# Altium PCB DC-DC_Conv.PcbDoc (part 2 of 3) (continued)
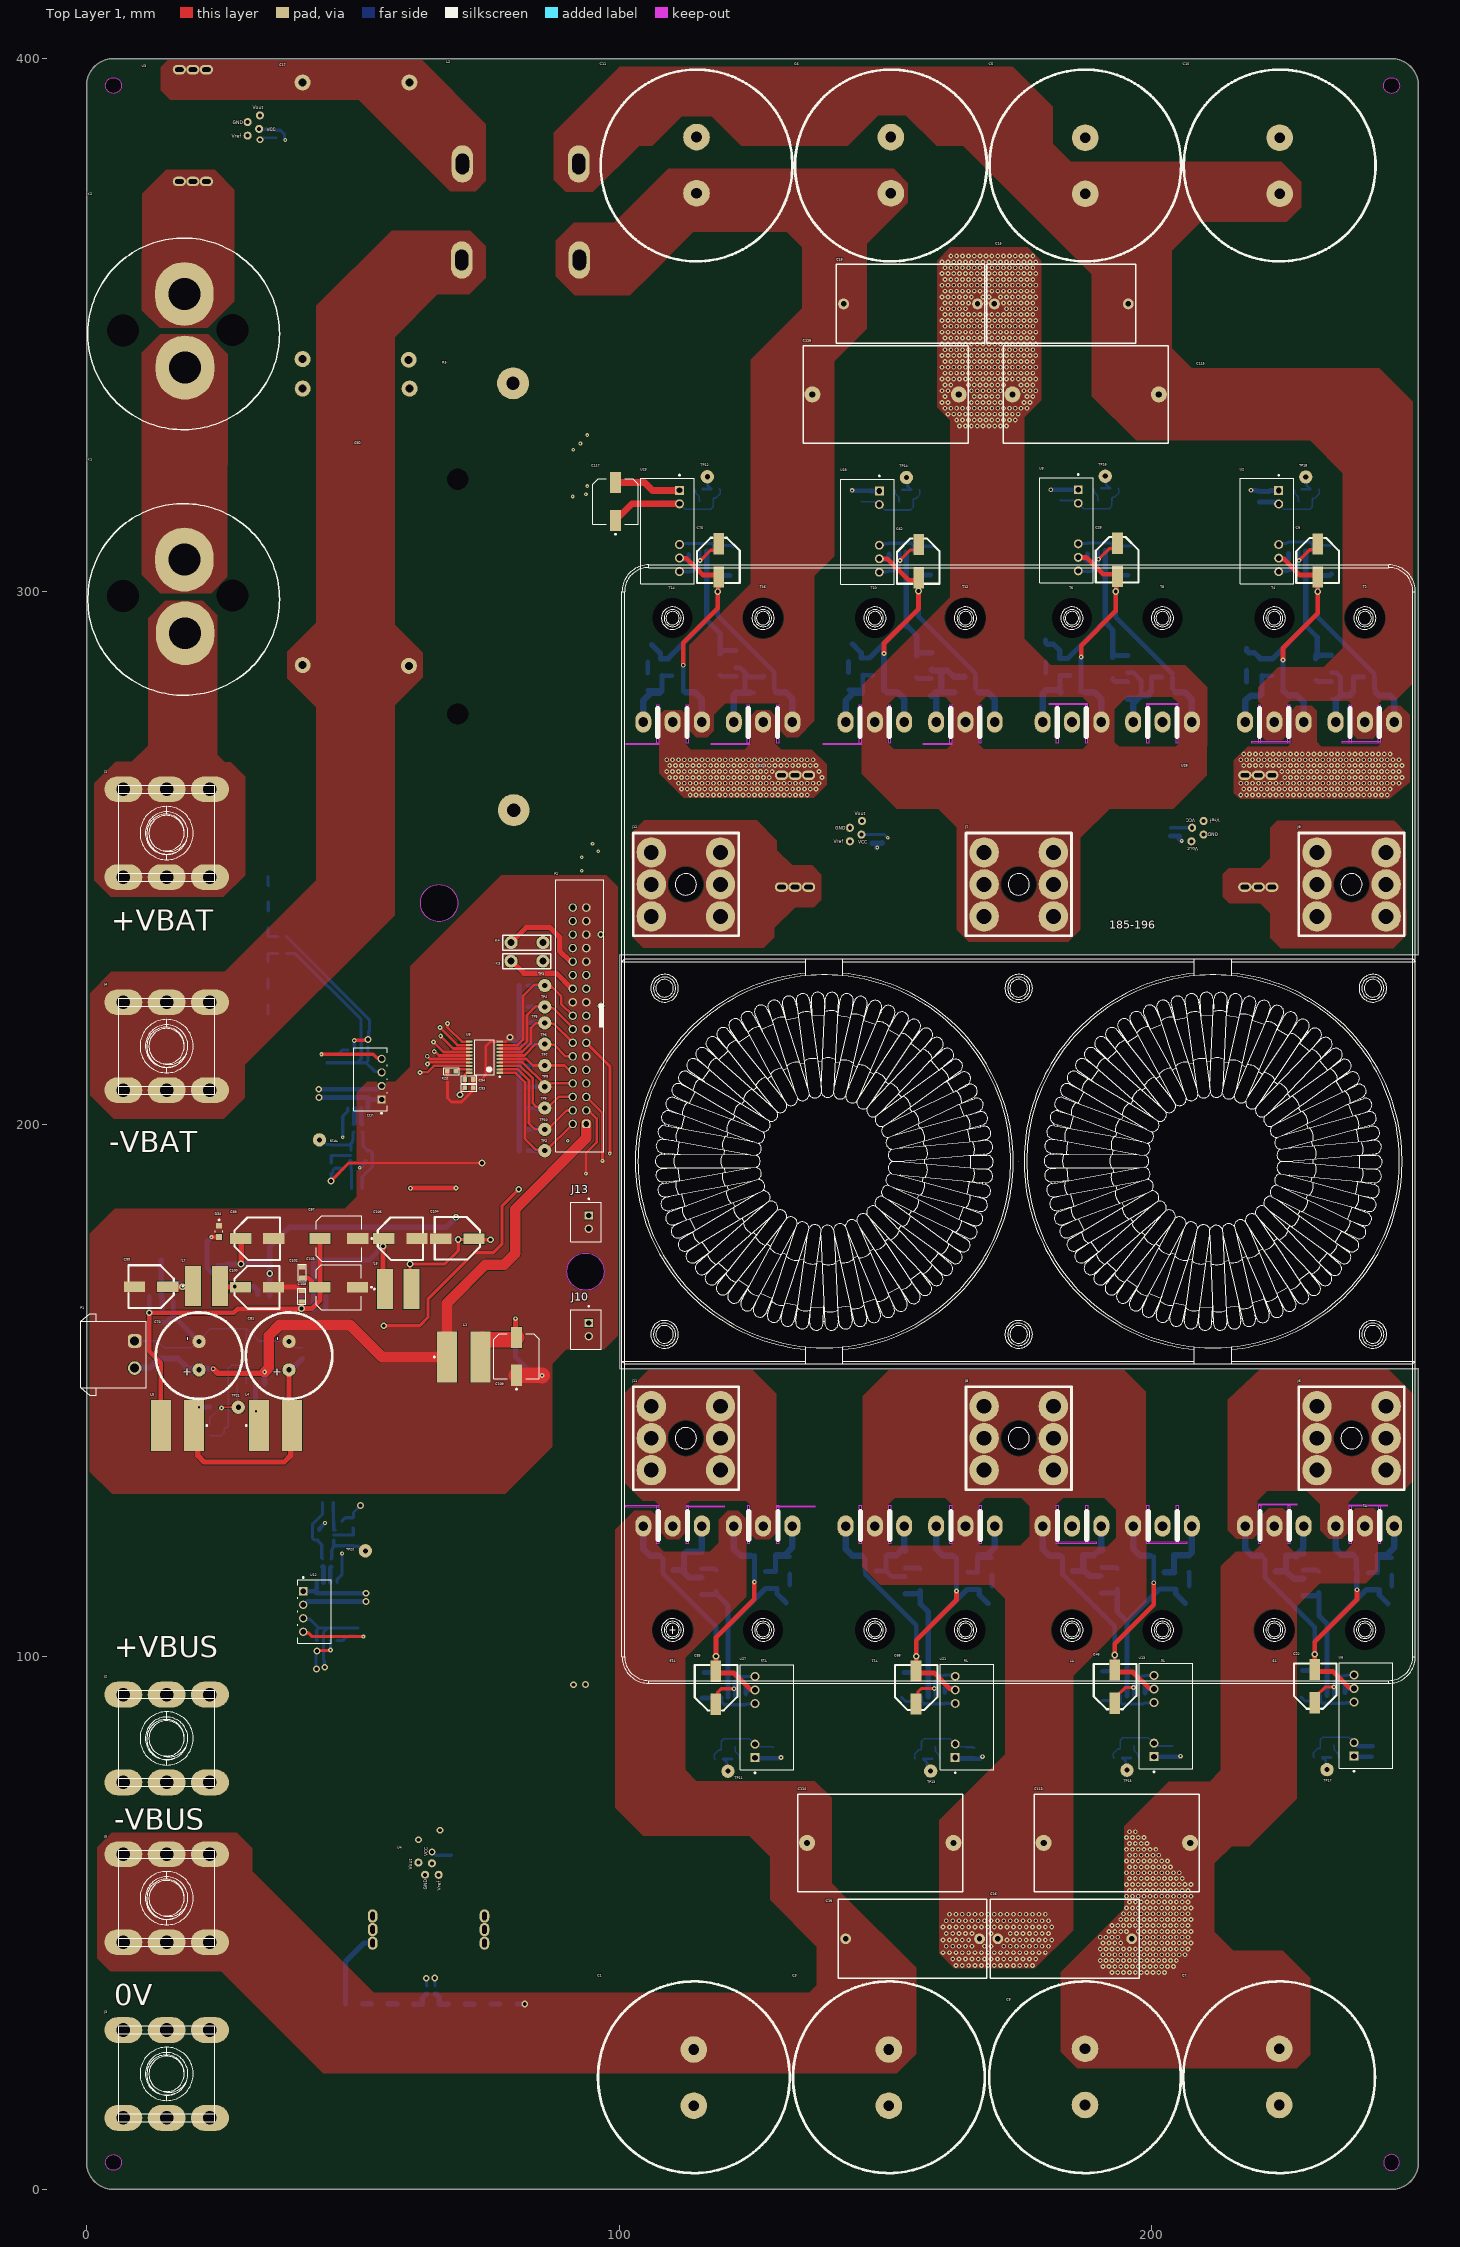
[diagram p0: Top Layer 1 view]
## Nets (pads, with @x,y where several pads share a name; then routed paths per layer and width w, separated by ;. In a path a pad name is that pad's centre, name@x,y a point inside that pad or via, vN(x,y) a via of type N, cw(c..) or ccw(c..) an arc to the next point about the centre after c; other vN are vias at no path point) (continued)
NetC6_2: C6.2 C11.2 C18.1 C72.1 C75.2 C78.1 C82.2 C116.1 D27.1 D29.1 L2.2 R94.2 R98.2 T14.3 T16.3 U23.6 | length 79
  Top Layer 1 w0.9: U23.6@111.308,306.293 111.368,306.233 112.542,306.233 115.658,303.117 C75.2@118.124,303.117 ; v3(112,286.15) 112,290.35 118.5,296.85 v2(118.5,299.975) 118.571,300.046 118.571,302.634 C75.2@118.674,302.737
  Bottom Layer 1 w0.9: U23.6@111.308,306.293 111.456,306.145 112.077,306.145 112.197,306.025 112.6,306.025 112.875,305.75 113,305.75 C72.1@113.05,305.7 C82.2@113.05,306.975 ; D29.1@111.992,281.183 111.992,286.142 v3(112,286.15) ; C78.1@120.792,303.022 119.097,303.022 118.5,302.425 v2(118.5,299.975) 118.496,299.971 118.496,295.429 129.125,284.8 129.1,284.775 129.1,284.175 R94.2@129.05,284.125 129.1,284.075 129.1,281.7 D27.1@129.175,281.7
  Bottom Layer 1 w1.2: D29.1@112.448,281.077 114.223,281.077 115.485,279.815 T14.3@115.485,275.61 ; D27.1@129.448,281.077 131.223,281.077 132.485,279.815 T16.3@132.485,275.61
NetC7_1: C7.1 C8.1 C16.2 C113.2 T1.2 T3.2 U4.8 U4.9 U4.10
  other v1: 192.5,40.7 193.6,40.7 194.7,40.7 195.8,40.7 196.9,40.7 198,40.7 199.1,40.7 200.2,40.7 201.3,40.7 202.4,40.7 190.85,41.8 191.95,41.8 193.05,41.8 194.15,41.8 195.25,41.8 196.35,41.8 197.45,41.8 198.55,41.8 199.65,41.8 200.75,41.8 201.85,41.8 202.95,41.8 204.05,41.8 190.3,42.9 191.4,42.9 192.5,42.9 193.6,42.9 194.7,42.9 195.8,42.9 196.9,42.9 198,42.9 199.1,42.9 200.2,42.9 201.3,42.9 202.4,42.9 203.5,42.9 204.6,42.9 190.85,44 191.95,44 193.05,44 194.15,44 195.25,44 196.35,44 197.45,44 198.55,44 199.65,44 200.75,44 201.85,44 202.95,44 204.05,44 205.15,44 206.25,44 190.3,45.1 191.4,45.1 192.5,45.1 193.6,45.1 194.7,45.1 195.8,45.1 196.9,45.1 198,45.1 199.1,45.1 200.2,45.1 201.3,45.1 202.4,45.1 203.5,45.1 204.6,45.1 205.7,45.1 206.8,45.1 190.85,46.2 191.95,46.2 193.05,46.2 194.15,46.2 198.55,46.2 199.65,46.2 200.75,46.2 201.85,46.2 202.95,46.2 204.05,46.2 205.15,46.2 206.25,46.2 207.35,46.2 190.3,47.3 191.4,47.3 192.5,47.3 193.6,47.3 198,47.3 199.1,47.3 200.2,47.3 201.3,47.3 202.4,47.3 203.5,47.3 204.6,47.3 205.7,47.3 206.8,47.3 191.95,48.4 193.05,48.4 194.15,48.4 195.25,48.4 197.45,48.4 198.55,48.4 199.65,48.4 200.75,48.4 201.85,48.4 202.95,48.4 204.05,48.4 205.15,48.4 206.25,48.4 207.35,48.4 192.5,49.5 193.6,49.5 194.7,49.5 195.8,49.5 196.9,49.5 198,49.5 199.1,49.5 200.2,49.5 201.3,49.5 202.4,49.5 203.5,49.5 204.6,49.5 205.7,49.5 206.8,49.5 194.15,50.6 195.25,50.6 196.35,50.6 197.45,50.6 198.55,50.6 199.65,50.6 200.75,50.6 201.85,50.6 202.95,50.6 204.05,50.6 205.15,50.6 206.25,50.6 207.35,50.6 194.7,51.7 195.8,51.7 196.9,51.7 198,51.7 199.1,51.7 200.2,51.7 201.3,51.7 202.4,51.7 203.5,51.7 204.6,51.7 205.7,51.7 206.8,51.7 195.25,52.8 196.35,52.8 197.45,52.8 198.55,52.8 199.65,52.8 200.75,52.8 201.85,52.8 202.95,52.8 204.05,52.8 205.15,52.8 206.25,52.8 207.35,52.8 195.8,53.9 196.9,53.9 198,53.9 199.1,53.9 200.2,53.9 201.3,53.9 202.4,53.9 203.5,53.9 204.6,53.9 205.7,53.9 206.8,53.9 195.25,55 196.35,55 197.45,55 198.55,55 199.65,55 200.75,55 201.85,55 202.95,55 204.05,55 205.15,55 206.25,55 207.35,55 195.8,56.1 196.9,56.1 198,56.1 199.1,56.1 200.2,56.1 201.3,56.1 202.4,56.1 203.5,56.1 204.6,56.1 205.7,56.1 206.8,56.1 195.25,57.2 196.35,57.2 197.45,57.2 198.55,57.2 199.65,57.2 200.75,57.2 201.85,57.2 202.95,57.2 204.05,57.2 205.15,57.2 206.25,57.2 207.35,57.2 195.8,58.3 196.9,58.3 198,58.3 199.1,58.3 200.2,58.3 201.3,58.3 202.4,58.3 203.5,58.3 204.6,58.3 205.7,58.3 195.25,59.4 196.35,59.4 197.45,59.4 198.55,59.4 199.65,59.4 200.75,59.4 201.85,59.4 202.95,59.4 204.05,59.4 205.15,59.4 195.8,60.5 196.9,60.5 198,60.5 199.1,60.5 200.2,60.5 201.3,60.5 202.4,60.5 203.5,60.5 195.25,61.6 196.35,61.6 197.45,61.6 198.55,61.6 199.65,61.6 200.75,61.6 201.85,61.6 202.95,61.6 195.8,62.7 196.9,62.7 198,62.7 199.1,62.7 200.2,62.7 201.3,62.7 195.25,63.8 196.35,63.8 197.45,63.8 198.55,63.8 199.65,63.8 200.75,63.8 195.8,64.9 196.9,64.9 198,64.9 199.1,64.9 195.25,66 196.35,66 197.45,66 198.55,66 195.8,67.1 196.9,67.1
NetC13_2: C13.2 C14.1 U1.4 U2.5 | length 11.5
  Bottom Layer 1 w0.6: U2.5@223.814,308.809 224.02,309.015 225.265,309.015 225.425,309.175 C14.1@225.65,309.175 ; C14.1@225.65,309.317 229.656,309.317 230.164,308.809 230.164,308.428 ; U1.4@230.164,307.539 230.164,308.428 ; C13.2@233.565,308.619 230.355,308.619 230.164,308.428
NetC17_1: C17.1 C92.2
NetC17_2: C17.2 L2.3 U3.5 U3.6 U3.7
NetC20_1: C20.1 C22.2 C24.1 C25.2 D4.1 D6.1 J6.1 R8.2 R12.2 T1.3 T3.3 T5.2 T7.2 U6.6 | length 77.9
  Top Layer 1 w0.9: C22.2@230.575,97.684 v2(230.575,100.425) 230.575,102.75 238.5,110.675 v3(238.5,112.55) ; C22.2@231.157,97.183 234.03,97.183 237.058,94.155 U6.6@237.825,94.155
  Bottom Layer 1 w0.9: R8.2@221.225,115.725 221.225,114.875 230.575,105.525 v2(230.575,100.425) ; R8.2@221.225,116.1 D4.1@221.225,118.275 ; C24.1@228.279,97.374 229.974,97.374 230.571,97.971 v2@230.571,100.421 ; C25.2@236.25,93.225 C20.1@236.25,94.45 236.693,94.007 U6.6@237.973,94.007 ; D6.1@237.9,118.975 D6.1@238.4,118.475
  Bottom Layer 1 w1: D6.1@238.4,118.475 238.4,116.303 238.525,116.178 R12.2@238.525,115.775 ; v3(238.5,112.55) 238.5,115.091 238.525,115.116 R12.2@238.525,115.575
  Bottom Layer 1 w1.2: T3.3@217.515,124.39 217.515,120.185 218.777,118.923 D4.1@220.552,118.923 ; T1.3@234.515,124.39 234.515,120.185 235.553,119.147 237.728,119.147 D6.1@237.9,118.975
NetC20_2: C20.2 C22.1 U5.6 U6.7 | length 12.1
  Top Layer 1 w0.6: C22.1@230.607,91.34 230.976,91.709 230.976,92.709 232.542,94.275 v3(234.175,94.275)
  Bottom Layer 1 w0.6: U5.6@234.163,92.737 234.169,92.743 234.169,94.269 v3(234.175,94.275) ; v3@234.175,94.302 234.175,95.075 235.45,96.35 236.15,96.35 C20.2@236.25,96.45 236.606,96.45 236.703,96.547 U6.7@237.973,96.547
NetC24_2: C24.2 C25.1 U5.4 U6.5 | length 11.4
  Bottom Layer 1 w0.6: C24.2@228.025,92.35 228.718,91.658 231.432,91.658 231.623,91.848 ; U5.4@231.623,92.737 231.623,91.848 ; C25.1@236.25,91.225 231.974,91.225 231.623,91.576 231.623,91.848 ; C25.1@236.516,91.266 236.575,91.325 237.831,91.325 U6.5@237.973,91.467
NetC26_2: C26.2 C28.1 U7.6 U9.7 | length 12.1
  Top Layer 1 w0.6: v3(189.975,306.05) 191.989,308.064 192.838,308.064 193.538,308.764 C28.1@193.538,309.078
  Bottom Layer 1 w0.6: U9.7@186.172,303.871 186.27,303.773 187.852,303.773 C26.2@187.95,303.675 188.05,303.775 188.725,303.775 189.918,304.968 189.918,305.993 189.978,306.054 189.978,307.677 U7.6@189.982,307.681
NetC30_2: C30.2 C31.1 U7.4 U9.5 | length 13
  Bottom Layer 1 w0.6: U9.5@186.527,309.025 186.564,308.988 187.888,308.988 C31.1@187.925,309.025 ; U7.4@192.522,307.681 192.522,308.57 ; C30.2@196.08,308.57 192.522,308.57 ; U9.5@186.527,308.988 186.49,308.951 U9.5@186.172,308.951 186.209,308.988 U9.5@186.527,308.988 ; U9.5@186.527,308.988 187.776,308.988 187.888,309.1 192.265,309.1 192.522,308.843 192.522,308.57
NetC32_1: C32.1 C34.1 C54.1 R54.1 U11.3 U15.3 U15.4 | length 41.5
  Bottom Layer 1 w0.6: R54.1@37.475,232 39.15,232 51.51,219.64 C54.1@51.51,217.526 51.51,215.662 ; C32.1@45.135,211.526 C34.1@46.71,211.526 50.785,211.526 ; 51.535,215.422 U15.3@51.535,213.875 51.535,212.276 50.785,211.526 ; 52.445,211.526 52.805,211.886 U15.4@52.805,213.875 U15.4@52.805,214.575 ; U11.3@55.36,209.696 55.178,209.878 54.083,209.878 52.435,211.526 50.785,211.526
NetC32_2: C32.2 C34.2 U11.4 U15.1 | length 17
  Top Layer 1 w0.6: v5(44.06,213.126) 44.085,213.101 53.754,213.101 54.438,212.418 55.178,212.418 U11.4@55.36,212.236
  Bottom Layer 1 w0.6: v5(44.06,213.126) 45.535,213.126 45.585,213.076 C34.2@46.71,213.076 46.835,213.201 47.285,213.201 47.959,213.875 U15.1@48.995,213.875
NetC35_1: C35.1 C37.1 C55.1 R55.1 U12.3 U17.3 U17.4 | length 89.4
  Top Layer w0.6: v2(44.7,98) 59.175,83.525 59.175,57.525 65.35,51.35 v2(65.35,39.65)
  Bottom Layer 1 w0.6: U12.3@40.64,107.187 40.821,107.005 41.916,107.005 43.565,105.357 45.215,105.357 ; U17.4@43.195,103.008 43.195,104.996 43.555,105.357 ; C55.1@44.465,99.382 U17.3@44.465,103.008 44.465,104.607 45.215,105.357 ; C55.1@44.615,99.207 44.595,99.207 44.595,98.105 v2(44.7,98) ; C35.1@50.865,105.357 C37.1@49.29,105.357 45.215,105.357 ; v2(65.35,39.65) 65.375,39.625 65.375,38.225 R55.1@65.4,38.2
NetC35_2: C35.2 C37.2 U12.4 U17.1 | length 17
  Top Layer 1 w0.6: U12.4@40.64,104.647 40.821,104.465 41.562,104.465 42.245,103.782 51.915,103.782 v5(51.94,103.757)
  Bottom Layer 1 w0.6: U17.1@47.005,103.008 48.041,103.008 48.715,103.682 49.165,103.682 C37.2@49.29,103.807 50.415,103.807 50.465,103.757 v5(51.94,103.757)
NetC42_2: C42.2 C46.1 U10.6 U13.7 | length 12
  Top Layer 1 w0.6: C46.1@193.033,91.24 193.402,91.609 193.402,92.609 194.968,94.175 v3(196.55,94.175)
  Bottom Layer 1 w0.6: v3@196.55,94.148 196.589,94.109 U10.6@196.589,92.637 ; v3(196.55,94.175) 196.55,94.875 198,96.325 198.6,96.325 198.711,96.436 200.388,96.436 U13.7@200.399,96.447
NetC48_1: C48.1 C58.2 R50.1 R58.2 U14.4 | length 12.4
  Bottom Layer 1 w0.6: R58.2@51.71,187.951 51.735,187.976 51.735,190.126 53.61,192.001 53.61,194.65 53.259,195.001 52.61,195.001 U14.4@52.56,195.051 ; R50.1@51.71,198.501 51.735,198.501 51.86,198.376 51.86,198.351 51.885,198.326 C48.1@51.885,196.801 51.885,195.876 U14.4@52.56,195.201
NetC48_2: C48.2 C56.2 R42.1 R52.2 TP19.1 U14.3 | length 9.7
  Bottom Layer 1 w0.6: TP19.1@43.685,197.026 44.136,197.026 45.012,196.15 45.8,196.15 C56.2@45.9,196.05 ; C56.2@45.96,196.05 45.973,196.063 47.697,196.063 R52.2@47.71,196.076 ; R52.2@47.685,196.076 49.385,196.076 C48.2@49.885,196.576 ; U14.3@49.61,195.026 49.61,196.076 ; C48.2@49.885,196.801 49.985,196.901 49.985,198.376 50.11,198.501 R42.1@50.135,198.501
NetC49_2: C49.2 C51.1 U10.4 U13.5 | length 11.2
  Bottom Layer 1 w0.6: C49.2@190.661,91.748 194.049,91.748 ; U10.4@194.049,92.637 194.049,91.748 ; U13.5@200.399,91.367 200.303,91.271 198.571,91.271 198.4,91.1 194.4,91.1 194.049,91.451 194.049,91.748
NetC50_1: C50.1 C59.2 R51.1 R59.2 U16.4 | length 12.4
  Bottom Layer 1 w0.6: U16.4@43.44,121.682 44.115,121.007 C50.1@44.115,120.082 44.115,118.557 44.14,118.532 44.14,118.507 44.265,118.382 R51.1@44.29,118.382 ; U16.4@43.44,121.832 43.39,121.882 42.741,121.882 42.39,122.233 42.39,124.882 44.265,126.757 44.265,128.907 R59.2@44.29,128.932
NetC50_2: C50.2 C57.2 R43.1 R53.2 TP20.1 U16.3 | length 9.7
  Bottom Layer 1 w0.6: R43.1@45.865,118.382 45.89,118.382 46.015,118.507 46.015,119.982 C50.2@46.115,120.082 ; C50.2@46.115,120.307 46.615,120.807 R53.2@48.314,120.807 ; 46.39,120.807 U16.3@46.39,121.857 ; R53.2@48.29,120.807 C57.2@50.039,120.807 50.139,120.707 51.013,120.707 51.863,119.857 TP20.1@52.315,119.857
NetC52_2: C52.2 P2.17 R44.1 | length 83.8
  Top Layer 1 w0.6: v2(45.875,189.325) 49.225,192.675 v2(74.225,192.675)
  Bottom Layer w0.6: v2(74.225,192.675) 91.95,192.675 97.15,197.875 97.15,218.2 95.005,220.345 P2.17@93.8,220.345
  Bottom Layer 1 w0.6: v2(45.875,189.325) 45.91,189.36 C52.2@45.91,190.726 46.135,190.726 46.235,190.826 46.235,191.364 46.586,191.715 47.609,191.715 47.673,191.651 47.96,191.651 48.085,191.526 R44.1@48.085,191.501
NetC53_2: C53.2 P2.13 R45.1 | length 127.1
  Top Layer 1 w0.6: v2(55.775,162.125) 62.5,162.125 64.05,163.675 64.05,167.1 72.775,175.825 76.35,175.825 77.95,177.425 77.95,184.576 v2(81.115,187.741) ; P2.13@93.8,215.265 98.225,210.84 v4(98.225,194.45)
  Bottom Layer w0.6: v2(51.415,128.382) 51.415,157.715 v2@55.85,162.15 ; v2(55.775,162.125) v2@55.825,162.125 ; v2(81.115,187.741) 81.243,187.869 81.671,187.869 81.802,188 94.325,188 98.225,191.9 v4(98.225,194.45)
  Bottom Layer 1 w0.6: R45.1@47.915,125.382 47.915,125.407 48.565,126.057 49.99,126.057 C53.2@50.09,126.157 50.09,127.057 v2(51.415,128.382)
NetC54_2: C54.2 R46.1 U15.2 | length 30.4
  Top Layer 1 w0.6: v3(50.235,215.676) 50.292,215.733 52.667,215.733 v2(52.785,215.851)
  Bottom Layer 1 w0.6: R46.1@37.475,235.225 37.6,235.1 37.6,235.075 53.06,219.615 C54.2@53.06,217.526 52.935,217.401 52.935,216.182 52.913,216.161 52.913,215.979 v2(52.785,215.851) ; v3(50.235,215.676) 50.235,213.905 U15.2@50.265,213.875
NetC55_2: C55.2 R47.1 U17.2 | length 76.1
  Top Layer 1 w0.6: v2(43.215,101.032) 43.332,101.15 45.707,101.15 v3(45.765,101.207)
  Top Layer w0.6: v2(43.15,97.65) 58.125,82.675 58.125,57.025 63.8,51.35 63.8,39.65 v2(63.75,39.6)
  Bottom Layer 1 w0.6: v2(43.15,97.65) 43.045,97.755 43.045,99.252 C55.2@42.94,99.357 43.065,99.482 43.065,100.701 43.086,100.722 43.086,100.904 v2(43.215,101.032) ; U17.2@45.735,103.008 45.765,102.978 v3(45.765,101.207) ; v2(63.75,39.6) 63.788,39.562 63.788,38.238 R47.1@63.825,38.2
NetC58_1: C58.1 R44.2 R58.1 U14.1 | length 5.5
  Bottom Layer 1 w0.6: U14.1@49.31,193.101 U14.1@49.61,193.101 ; U14.1@49.61,193.126 49.622,193.114 49.622,191.514 49.685,191.451 49.685,189.751 C58.1@49.735,189.701 49.722,189.688 49.722,187.963 R58.1@49.71,187.951
NetC59_1: C59.1 R45.2 R59.1 U16.1 | length 5.5
  Bottom Layer 1 w0.6: R59.1@46.29,128.932 46.277,128.92 46.277,127.195 C59.1@46.265,127.182 46.315,127.132 46.315,125.432 46.377,125.369 46.377,123.769 U16.1@46.39,123.757 ; U16.1@46.39,123.782 U16.1@46.69,123.782
NetC60_1: C60.1 C62.2 C64.1 C65.2 D17.1 D21.1 R75.2 R81.2 T10.3 T12.3 T14.2 T16.2 U19.6 U31.5 U31.6 U31.7 | length 77.6
  Top Layer 1 w0.9: U19.6@148.829,306.159 150.321,306.159 154.372,302.108 C62.2@155.7,302.108 ; v3(149.7,288.375) 149.7,290.3 156.2,296.8 v2(156.2,300.075) ; v2@156.188,300.087 156.197,300.096 156.197,302.099 C62.2@156.188,302.108
  Bottom Layer 1 w0.9: U19.6@148.977,306.011 C60.1@150.294,306.011 ; C60.1@150.665,306.159 C65.2@150.665,307.065 ; v2@156.271,300.146 v2(156.2,300.075) ; C64.1@158.492,303.122 156.797,303.122 156.2,302.525 v2(156.2,300.075) ; R75.2@166.825,284.625 156.196,295.254 156.196,300.071 v2(156.2,300.075) ; D17.1@166.875,281.8 R75.2@166.875,283.975
  Bottom Layer 1 w1.2: v3(149.7,288.375) 149.7,281.6 D21.1@150.2,281.1 ; D21.1@150.2,281.077 152.223,281.077 153.485,279.815 T10.3@153.485,275.61 ; D17.1@167.448,281.077 169.223,281.077 170.485,279.815 T12.3@170.485,275.61
  other v1: 113.3,261.8 114.4,261.8 115.5,261.8 116.6,261.8 117.7,261.8 118.8,261.8 119.9,261.8 121,261.8 122.1,261.8 123.2,261.8 124.3,261.8 125.4,261.8 126.5,261.8 127.6,261.8 128.7,261.8 129.8,261.8 130.9,261.8 132,261.8 133.1,261.8 134.2,261.8 135.3,261.8 111.65,262.9 112.75,262.9 113.85,262.9 114.95,262.9 116.05,262.9 117.15,262.9 118.25,262.9 119.35,262.9 120.45,262.9 121.55,262.9 122.65,262.9 123.75,262.9 124.85,262.9 125.95,262.9 127.05,262.9 128.15,262.9 129.25,262.9 130.35,262.9 131.45,262.9 132.55,262.9 133.65,262.9 134.75,262.9 135.85,262.9 136.95,262.9 111.1,264 112.2,264 113.3,264 114.4,264 115.5,264 116.6,264 117.7,264 118.8,264 119.9,264 121,264 122.1,264 123.2,264 124.3,264 125.4,264 126.5,264 127.6,264 128.7,264 129.8,264 130.9,264 132,264 133.1,264 134.2,264 135.3,264 136.4,264 137.5,264 109.45,265.1 110.55,265.1 111.65,265.1 112.75,265.1 113.85,265.1 114.95,265.1 116.05,265.1 117.15,265.1 118.25,265.1 119.35,265.1 120.45,265.1 121.55,265.1 122.65,265.1 123.75,265.1 124.85,265.1 125.95,265.1 127.05,265.1 128.15,265.1 138.05,265.1 108.9,266.2 110,266.2 111.1,266.2 112.2,266.2 113.3,266.2 114.4,266.2 115.5,266.2 116.6,266.2 117.7,266.2 118.8,266.2 119.9,266.2 121,266.2 122.1,266.2 123.2,266.2 124.3,266.2 125.4,266.2 126.5,266.2 127.6,266.2 128.7,266.2 137.5,266.2 109.45,267.3 110.55,267.3 111.65,267.3 112.75,267.3 113.85,267.3 114.95,267.3 116.05,267.3 117.15,267.3 118.25,267.3 119.35,267.3 120.45,267.3 121.55,267.3 122.65,267.3 123.75,267.3 124.85,267.3 125.95,267.3 127.05,267.3 128.15,267.3 129.25,267.3 130.35,267.3 131.45,267.3 132.55,267.3 133.65,267.3 134.75,267.3 135.85,267.3 136.95,267.3 108.9,268.4 110,268.4 111.1,268.4 112.2,268.4 113.3,268.4 114.4,268.4 115.5,268.4 116.6,268.4 117.7,268.4 118.8,268.4 119.9,268.4 121,268.4 122.1,268.4 123.2,268.4 124.3,268.4 125.4,268.4 126.5,268.4 127.6,268.4 128.7,268.4 129.8,268.4 130.9,268.4 132,268.4 133.1,268.4 134.2,268.4 135.3,268.4 136.4,268.4
NetC60_2: C60.2 C62.1 U18.6 U19.7 | length 11.8
  Top Layer 1 w0.6: v3(152.708,305.847) 154.646,307.785 155.495,307.785 156.195,308.485 C62.1@156.195,308.826
  Bottom Layer 1 w0.6: U19.7@148.829,303.619 148.907,303.697 C60.2@150.099,303.697 ; C60.2@150.099,303.775 C60.2@150.55,303.775 150.65,303.875 151.625,303.875 152.708,304.958 v3(152.708,305.847) 152.672,305.884 152.672,307.396 U18.6@152.639,307.429
NetC64_2: C64.2 C65.1 U18.4 U19.5 | length 11.7
  Bottom Layer 1 w0.6: U19.5@148.829,308.699 149.035,308.905 149.647,308.905 149.718,308.975 150.45,308.975 C65.1@150.55,309.075 154.803,309.075 155.179,308.699 155.179,308.318 ; U18.4@155.179,307.429 155.179,308.318 ; C64.2@158.877,308.508 155.369,308.508 155.179,308.318
NetC66_1: C66.1 C68.2 C70.1 C71.2 D23.1 D25.1 J11.1 R87.2 R91.2 T9.3 T11.3 T13.2 T15.2 U21.6 | length 78
  Top Layer 1 w0.9: C68.2@155.75,97.334 v2(155.75,100.075) 155.75,103.05 163.3,110.6 v3(163.3,112.325) ; C68.2@156.252,96.918 159.125,96.918 162.153,93.89 U21.6@162.92,93.89
  Bottom Layer 1 w0.9: R87.2@146.125,116.125 D23.1@146.125,118.3 ; R87.2@146.175,115.475 155.75,105.9 v2(155.75,100.075) ; C70.1@153.454,97.024 155.149,97.024 155.746,97.621 v2@155.746,100.071 ; C71.2@161.1,93.25 161.091,93.259 161.091,94.12 162.69,94.12 U21.6@163.068,93.742 ; D25.1@162.8,119 163.308,118.492 163.308,112.333 v3(163.3,112.325)
  Bottom Layer 1 w1.2: T11.3@142.515,124.39 142.515,120.185 143.777,118.923 D23.1@145.552,118.923 ; T9.3@159.515,124.39 159.515,120.185 160.777,118.923 D25.1@162.552,118.923
NetC66_2: C66.2 C68.1 U20.6 U21.7 | length 13.2
  Top Layer 1 w0.6: C68.1@155.702,91.075 156.071,91.444 156.071,93.349 156.718,93.996 v3(159.131,93.996)
  Bottom Layer 1 w0.6: U20.6@159.258,92.472 159.258,93.869 v3(159.131,93.996) 159.188,94.053 159.188,95.313 160.295,96.42 160.991,96.42 C66.2@161.091,96.52 161.101,96.51 162.549,96.51 162.777,96.282 U21.7@163.068,96.282
NetC70_2: C70.2 C71.1 U20.4 U21.5 | length 11.5
  Bottom Layer 1 w0.6: C70.2@153.025,92.3 153.742,91.583 156.718,91.583 ; U20.4@156.718,92.472 156.718,91.583 ; C71.1@161.1,91.25 161,91.15 157.151,91.15 156.718,91.583 ; C71.1@161.124,91.226 162.689,91.226 U21.5@162.713,91.25 ; U21.5@162.689,91.202 U21.5@163.068,91.202
NetC72_2: C72.2 C75.1 U22.6 U23.7 | length 12.6
  Top Layer 1 w0.6: v3@115.186,305.811 117.125,307.75 117.974,307.75 118.674,308.45 C75.1@118.674,308.96
  Bottom Layer 1 w0.6: U23.7@111.308,303.753 111.335,303.726 112.725,303.726 112.751,303.7 113.275,303.7 C72.2@113.05,303.7 113.15,303.8 114,303.8 115.118,304.918 115.118,305.743 v3(115.175,305.8) 115.147,305.828 115.147,307.535 U22.6@115.118,307.563
NetC78_2: C78.2 C82.1 U22.4 U23.5 | length 11.7
  Bottom Layer 1 w0.6: U23.5@111.308,308.833 111.514,309.039 112.614,309.039 112.986,309.039 C82.1@113.05,308.975 113.116,309.041 117.342,309.041 117.658,308.725 117.658,308.452 ; U22.4@117.658,307.563 117.658,308.452 ; C78.2@121.35,308.35 121.058,308.642 117.849,308.642 117.658,308.452
NetC79_2: C79.2 C81.1 L4.2 L5.1 R76.2 | length 46.3
  Top Layer 1 w1: L5.1@20.143,143.387 20.852,142.678 20.852,137.723 22.046,136.529 37.079,136.529 38.273,137.723 38.273,143.102 L4.2@38.558,143.387 37.973,143.972 C81.1@37.973,153.833 C81.1@37.973,153.928
  Bottom Layer 1 w1: v3(21.082,146.816) 21.138,146.872 R76.2@23.059,146.872 ; C81.1@37.973,153.928 38.465,153.928 C79.2@40.513,155.976
NetC83_2: C83.2 C85.1 U25.6 U27.7 | length 12.9
  Top Layer 1 w0.6: C85.1@118.11,91.046 118.479,91.415 118.479,93.32 119.126,93.967 v3(121.539,93.967)
  Bottom Layer 1 w0.6: U25.6@121.666,92.443 121.666,93.84 v3(121.539,93.967) 121.596,94.024 121.596,95.246 122.575,96.225 C83.2@123.725,96.225 123.739,96.239 125.462,96.239 U27.7@125.476,96.253
NetC90_2: C90.2 C91.1 U25.4 U27.5 | length 11.1
  Bottom Layer 1 w0.6: U25.4@119.126,92.443 119.126,91.554 119.715,90.965 123.715,90.965 123.824,91.074 125.377,91.074 U27.5@125.476,91.173
  Bottom Layer 1 w0.9: C90.2@115.55,92.2 U25.4@119.093,92.2
NetC92_1: C92.1 J4.1 L2.1 R62.1
NetC99_1: C99.1 C101.2 L7.1 U29.2 | length 19.2
  Top Layer 1 w1: C99.1@15.198,169.425 19.855,169.425 L7.1@19.979,169.549
  Bottom Layer 1 w1: U29.2@14,174.395 U29.2@14,168.725 ; C101.2@14.2,164.8 14.2,167.405 U29.2@14,167.605 U29.2@14,168.725 ; v2(17.95,169.45) 17.877,169.45 17.302,170.025 15.3,170.025 U29.2@14,168.725
NetC106_1: C106.1 C107.2 L8.1 U30.2 | length 33
  Top Layer 1 w1: C106.1@55.775,178.5 55.625,178.35 v2(55.625,177.05) 55.625,169.35 L8.1@55.975,169
  Bottom Layer 1 w1: C107.2@42.625,165.225 42.633,165.233 42.633,166.913 42.64,166.921 U30.2@42.64,174.465 53.04,174.465 v2(55.625,177.05)
NetD1_1: D1.1 D18.1 R3.2 R83.2 U1.5 | length 39.8
  Bottom Layer 1 w1: D18.1@217.825,289.25 217.825,288.85 218.175,288.5 219.275,288.5 R83.2@220.375,287.4 ; R83.2@220.675,287.4 R83.2@220.375,287.4 ; U1.5@228.894,307.539 228.894,293.569 ; D1.1@230.75,288.025 230.775,288 D1.1@230.775,287.4 231.05,287.675 231.05,291.413 228.894,293.569 ; D1.1@230.775,287.65 231.125,288 R3.2@233.7,288 ; R83.2@220.375,287.4 222.725,287.4 228.894,293.569
NetD1_2: D1.2 R1.2 | length 3.1
  Bottom Layer 1 w0.9: D1.2@230.775,283.4 231.085,283.09 233.685,283.09 R1.2@233.725,283.05
NetD2_2: D2.2 R1.1 R3.1 R4.1 T2.1 | length 18.5
  Bottom Layer 1 w0.5: R1.1@233.725,279.85 234.396,279.85 R1.1@234.496,279.95
  Bottom Layer 1 w0.9: R3.1@233.7,284.8 233.75,284.75 234.6,284.75 235.45,283.9 235.45,280.904 ; D2.2@237.85,281 237.85,283.925 R4.1@239.775,283.925
  Bottom Layer 1 w1.2: T2.1@234.5,275.5 R1.1@234.5,279.5 ; R1.1@234.5,279.518 235.482,280.5 237.2,280.5 237.55,280.85 D2.2@237.55,280.951
NetD3_1: D3.1 D5.1 R7.2 R11.2 U5.5 | length 39
  Bottom Layer 1 w1: R7.2@228.45,111.4 D3.1@231.05,111.4 ; D3.1@231.325,112 231.325,111.475 231.4,111.4 231.4,110.8 231.4,107.657 232.893,106.164 232.893,105.143 ; U5.5@232.893,92.737 232.893,105.143 ; R11.2@242.375,112.575 R11.2@242.675,112.575 ; D5.1@244.35,109.925 242.675,111.6 R11.2@242.675,112.575 ; 232.893,105.143 240.325,112.575 R11.2@242.675,112.575
NetD3_2: D3.2 R6.2 | length 3
  Bottom Layer 1 w0.9: R6.2@228.475,116.25 231.075,116.25 D3.2@231.325,116
NetD4_2: D4.2 R6.1 R7.1 R8.1 T3.1 | length 18.1
  Bottom Layer 1 w1.2: R8.1@223.275,116.05 224.775,116.05 ; 226.95,118.825 227.15,118.825 227.675,119.35 228.375,119.35 R6.1@228.475,119.45 ; R7.1@228.45,114.6 226.65,114.6 225.2,116.05 D4.2@225.2,118.975 227.1,118.975 228.425,120.3 228.425,124.425 T3.1@228.5,124.5
NetD5_2: D5.2 R9.2 | length 2.1
  Bottom Layer 1 w0.9: D5.2@245.063,113.212 R9.2@245.063,115.312
NetD6_2: D6.2 R9.1 R11.1 R12.1 T1.1 | length 15.1
  Bottom Layer 1 w0.9: R12.1@240.625,115.675 240.625,115.791 R11.1@242.34,115.791 ; R11.1@242.375,115.775 D6.2@242.375,118.8 ; D6.2@242.475,118.55 244.073,118.55 R9.1@245.025,118.55
  Bottom Layer 1 w1.2: D6.2@242.45,119.049 244.073,119.049 245.5,120.476 T1.1@245.5,124.5
NetD7_1: D7.1 D9.1 R34.2 R64.2 U7.5 | length 39.7
  Bottom Layer 1 w1: D9.1@180.025,290.825 180.025,290.452 180.375,290.102 181.523,290.102 182.725,288.9 R64.2@182.725,287.425 ; R64.2@182.75,287.425 184.2,287.425 191.252,294.477 ; 191.252,294.148 U7.5@191.252,307.681 ; 191.361,294.051 192.65,292.762 192.65,288.15 D7.1@192.65,287.675 ; D7.1@193,288.15 193,287.975 R34.2@195.475,287.975
NetD7_2: D7.2 R13.2 | length 3.2
  Bottom Layer 1 w0.9: D7.2@192.65,283.675 192.65,283.475 193.05,283.075 195.4,283.075 R13.2@195.45,283.025
NetD8_2: D8.2 R13.1 R34.1 R35.1 T8.1 | length 20.2
  Bottom Layer 1 w0.9: R34.1@195.475,284.775 195.525,284.725 196.575,284.725 198.026,283.274 198.026,280.475 ; D8.2@199.925,281.025 199.925,283.95 R35.1@201.85,283.95
  Bottom Layer 1 w1.2: R13.1@195.45,279.825 196.5,279.825 196.5,278.974 ; T8.1@196.5,275.5 196.5,278.974 ; 198.026,280.475 199.275,280.475 199.55,280.75 D8.2@199.55,280.951 ; 198.026,280.501 196.5,278.974
NetD9_2: D9.2 R36.2 | length 2.1
  Bottom Layer 1 w0.9: R36.2@180.062,284.688 D9.2@180.062,286.788